# Altium PCB RemoteLora.PcbDoc
Units mm, origin at the board's own origin, x right, y up, seen from the top; angles counter-clockwise.
Board outline 69.72 x 75.31 mm, 2 copper layers (Top Layer, Bottom Layer); 28 components, 19 nets, 92 pads, 6 vias.
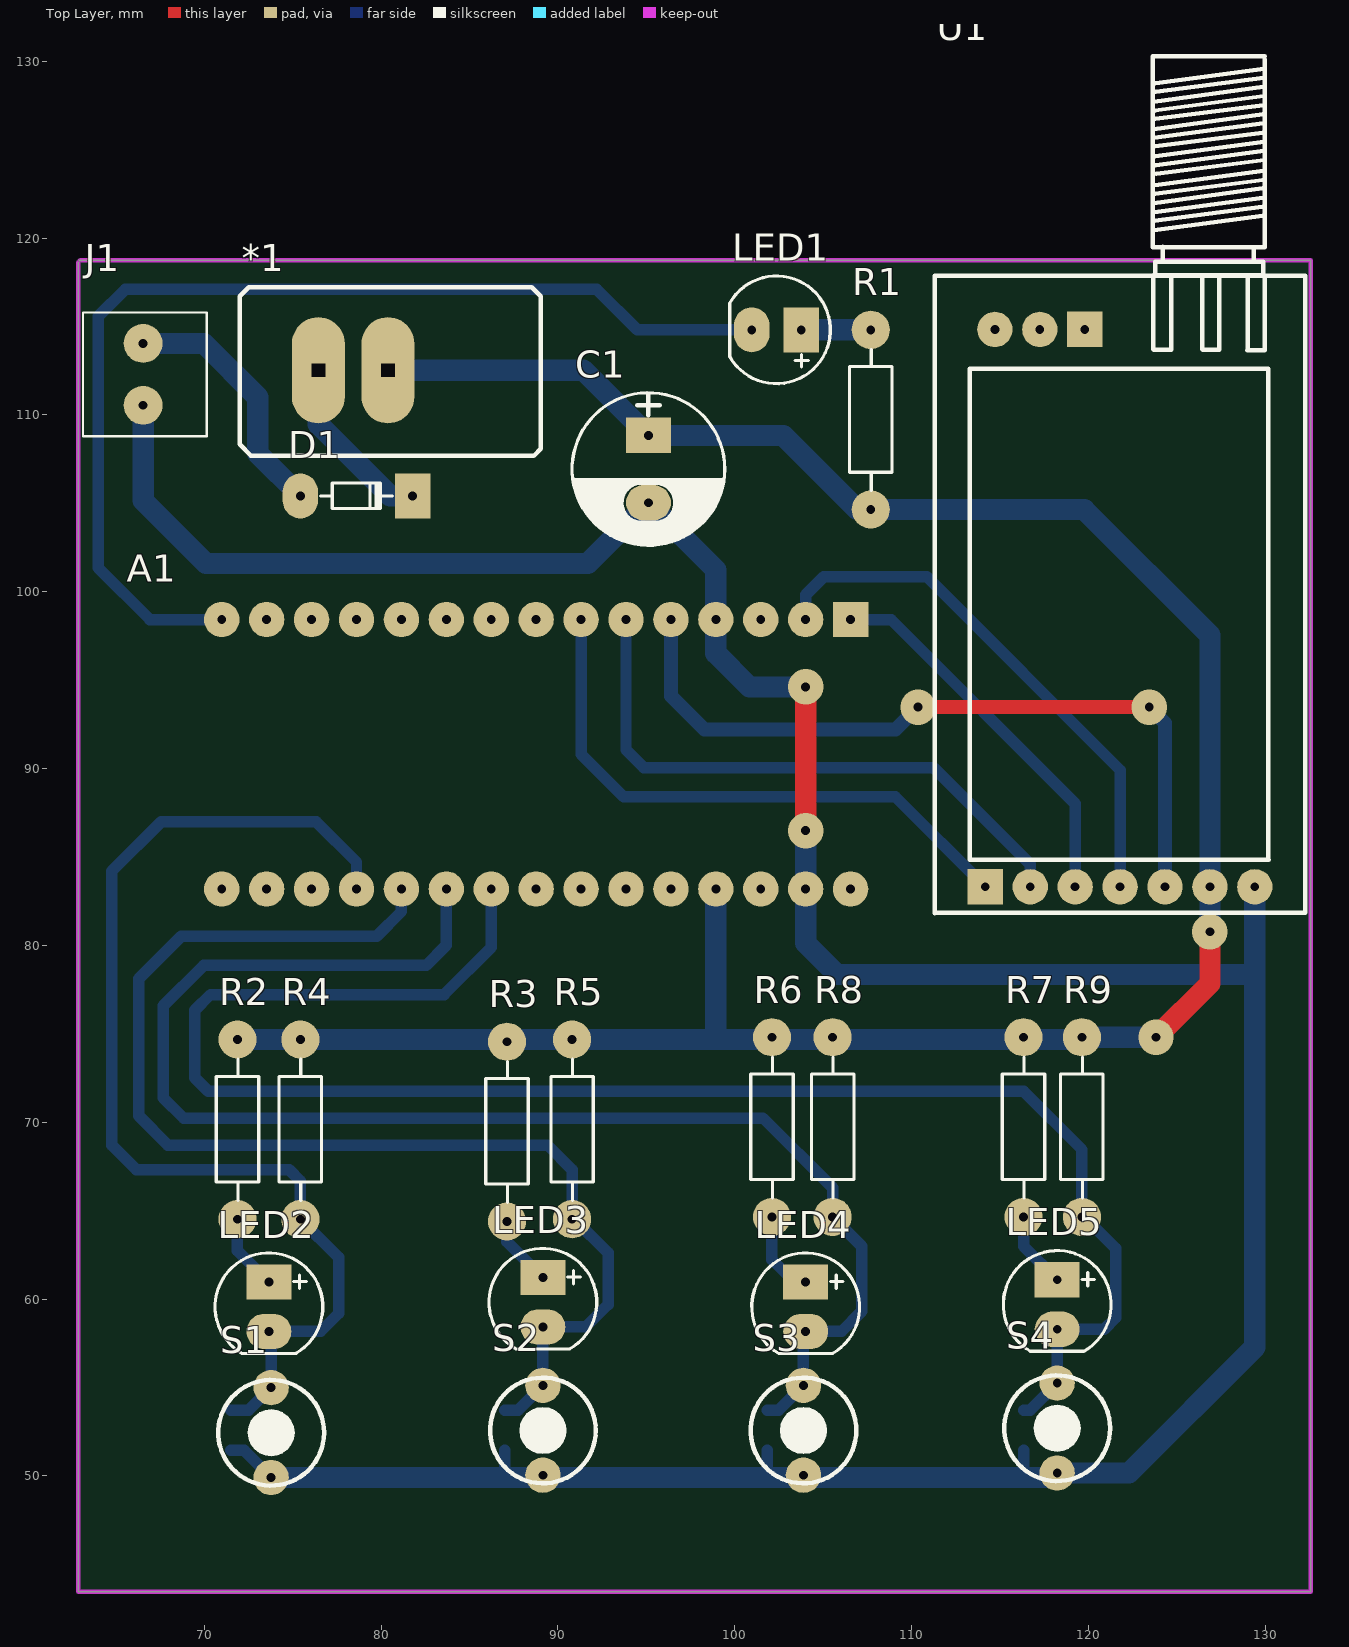
[diagram p0: Top Layer view]
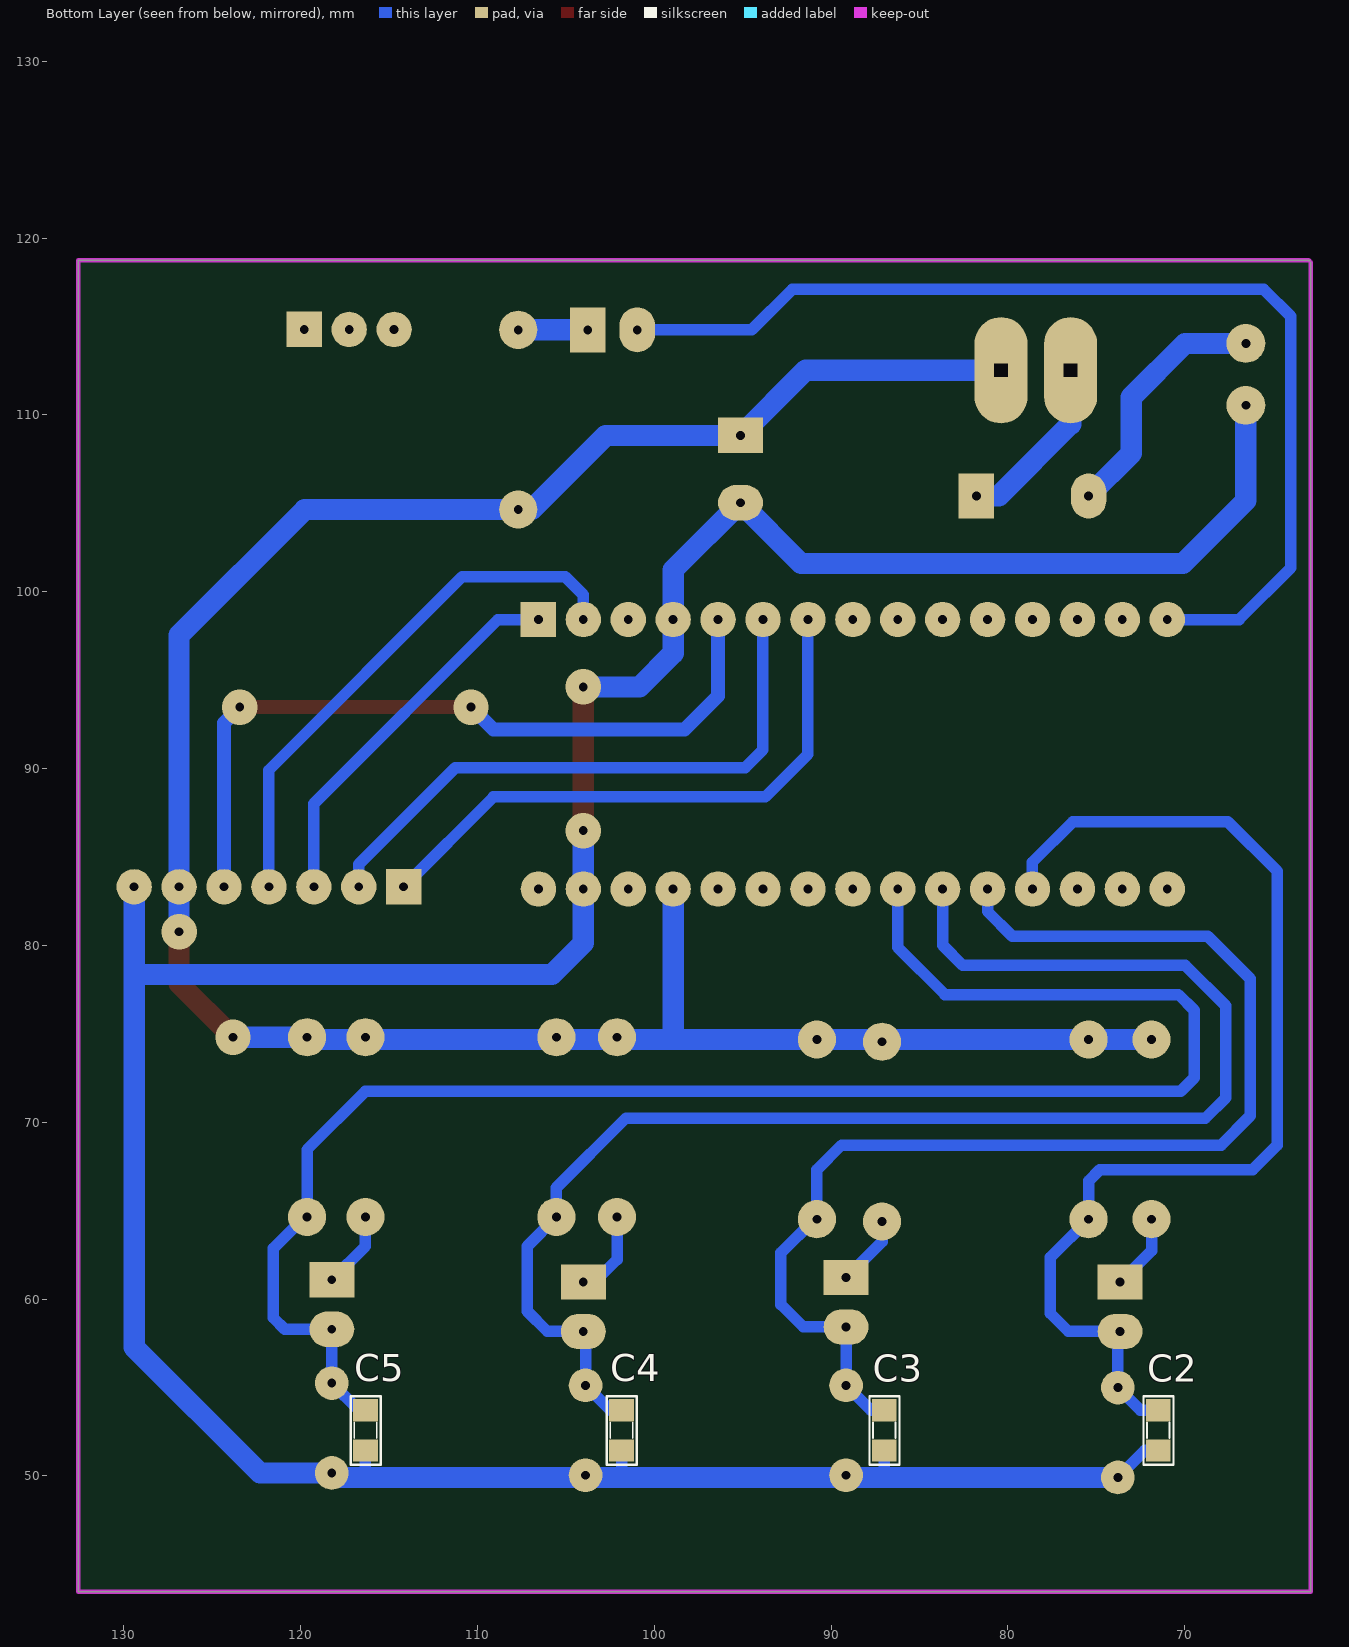
[diagram p1: Bottom Layer view, seen from below]

## Layer stack, top to bottom
Top Solder: solder mask 0.0102, Solder Resist, Dk 3.5
Top Layer: signal copper 0.0356
Dielectric 1: dielectric 0.32, FR-4, Dk 4.8
Bottom Layer: signal copper 0.0356
Bottom Solder: solder mask 0.0102, Solder Resist, Dk 3.5

## Board outline
62.865,43.434 62.865,118.618 62.992,118.745 132.588,118.745 132.588,116.967 132.588,43.434

## Design rules (kind name [scope] priority, off if disabled: settings)
Clearance [All] p1: gap=0.5 ignorepadtopadclearanceinfootprint=FALSE
PolygonConnect [All] p1: connectstyle=Relief reliefconductorwidth=0.254 reliefentries=4 polygonreliefangle="90 Angle" airgapwidth=0.254
RoutingVias [All] p1: holewidth=0.5 width=2 viastyle="Through Hole" minholewidth=0.5 minwidth=2 maxholewidth=0.5 maxwidth=2
SolderMaskExpansion [All] p1: expansion=0.102
Width [All] p1: maxlimit=1.2 minlimit=0.65 preferedwidth=0.8
30 further rules are at their usual default settings.

## Components (designator, comment, footprint, x,y, rotation, side; value= is the part's Value field where it differs from the comment)
*1 "SW bap benh" "SW bapbenh" 78.359,112.522 r90 top
A1 "Arduino Nano" "Arduino Nano" 108.331,104.775 r180 top
C1 "100uF/35V" CP1.5/3.4 95.123,108.839 r270 top value=100uF/35V/50V
C2 "103" SM-0805 71.501,52.578 r90 bottom
C3 "103" SM-0805 86.995,52.578 r90 bottom
C4 "103" SM-0805 101.854,52.578 r90 bottom
C5 "103" SM-0805 116.332,52.578 r90 bottom
D1 "Diode" D0.5A 78.613,105.41 r180 top
J1 "KF2" KF2-3.5 66.548,112.292 r90 top
LED1 "LED" LED-5-BLUE 102.362,114.808 r180 top
LED2 "LED" LED-5-BLUE 73.66,59.563 r270 top
LED3 "LED" LED-5-BLUE 89.154,59.817 r270 top
LED4 "LED" LED-5-BLUE 104.013,59.563 r270 top
LED5 "LED" LED-5-BLUE 118.237,59.69 r270 top
R1 "1k" RES-1/4W 107.823,110.109 r90 top
R2 "1k" RES-1/4W 72.009,69.977 r90 top
R3 "1k" RES-1/4W 87.249,69.85 r90 top
R4 "1k" RES-1/4W 75.565,69.977 r90 top
R5 "1k" RES-1/4W 90.932,69.977 r90 top
R6 "1k" RES-1/4W 102.235,70.104 r90 top
R7 "1k" RES-1/4W 116.459,70.104 r90 top
R8 "1k" RES-1/4W 105.664,70.104 r90 top
R9 "1k" RES-1/4W 119.761,70.104 r90 top
S1 "SW" "BUTTON  ROUND" 73.787,52.451 r90 top
S2 "SW" "BUTTON  ROUND" 89.154,52.578 r90 top
S3 "SW" "BUTTON  ROUND" 103.886,52.578 r90 top
S4 "SW" "BUTTON  ROUND" 118.237,52.705 r90 top
U1 "Lora SX1278 UART" Lora_uart_sx1278 129.413,83.312 r90 top

## Footprints (in the part's own frame and the unit in brackets; to place one, negate y for a bottom-side part, rotate by r counter-clockwise, add the part's x,y. Pads: shape width x height; smd on the part's side, far side on the other; paste and mask are expansions set on the pad)
"Arduino Nano" [mm]
  rect 2x2 hole 0.5: 0(1.778,6.35)
  round 2 hole 0.5: 1(4.318,6.35) 2(6.858,6.35) 3(9.398,6.35) 4(11.938,6.35) 5(14.478,6.35) 6(17.018,6.35) 7(19.558,6.35) 8(22.098,6.35) 9(24.638,6.35) 10(27.178,6.35) 11(29.718,6.35) 12(32.258,6.35) 13(34.798,6.35) 14(37.338,6.35) 15(37.338,21.59) 16(34.798,21.59) 17(32.258,21.59) 18(29.718,21.59) 19(27.178,21.59) 20(24.638,21.59) 21(22.098,21.59) 22(19.558,21.59) 23(17.018,21.59) 24(14.478,21.59) 25(11.938,21.59) 26(9.398,21.59) 27(6.858,21.59) 28(4.318,21.59) 29(1.778,21.59)
  body extent -2.04,4.97 42.96,22.97, height 13.1
"BUTTON  ROUND" [mm]
  round 2 / inner round 1.524 / far side round 1.905 hole 0.5 mask+0.205: 1(-2.54,0) 2(2.54,0)
  silkscreen extent -3,-2.99 2.98,2.99, body extent -3,-3 3,3, height 4.5
CP1.5/3.4 [mm] "Tu hoa 220->470uF,16V, 470uF/16V,25V"
  rect 2x2.54 hole 0.5: 1(0,0)
  oval 2x2.54 hole 0.5: 2(3.81,0)
  silkscreen extent -2.41,-4.32 6.22,4.32, body extent -2.16,-4 5.84,4, height 11.33
D0.5A [mm] "Diode muoi, W 80mil, L 300mil"
  oval 2x2.54 hole 0.5: 1(3.175,0)
  rect 2x2.54 hole 0.5: 2(-3.175,0)
  silkscreen extent -2.03,-0.76 2.03,0.71, body extent -2.76,-0.84 2.76,0.81, height 1.56
KF2-3.5 [mm] "3,50mm - modular - blue - Horizontal wire entry - Pressure clamp - 8,4mm height - 02p"
  round 2.2 hole 0.5: 1(-1.75,0) 2(1.75,0)
  silkscreen extent -3.5,-3.6 3.5,3.4, body extent -3.95,-3.6 4.05,3.4, height 8.41
LED-5-BLUE [mm] "LED 2 PIN, 5 ly , Only colour, pin to pin 110mil"
  rect 2x2.54 hole 0.5: 1(-1.397,0)
  oval 2x2.54 hole 0.5: 2(1.397,0)
  silkscreen extent -3.04,-3.05 2.64,3.04, body extent -2.88,-3.06 2.54,2.96, height 8.62
Lora_uart_sx1278 [mm]
  rect 2x2 hole 0.5: 1(0,15.24) 8(31.52,9.62)
  round 2 hole 0.5: 2(0,12.7) 3(0,10.16) 4(0,7.62) 5(0,5.08) 6(0,2.54) 7(0,0) 9(31.52,12.16) 10(31.52,14.7)
  silkscreen extent -1.49,-2.86 46.98,18.11, body extent -1.49,-2.84 47.03,18.12, height 8.2
RES-1/4W [mil]
  round 85 hole 19.68: 1(-215,5) 2(185,5)
  silkscreen extent -173,-42 141,52, body extent -227,-42 197,52, height 95
SM-0805 [mil] "Compoment SMD 80x50mil"
  rect 50x55 smd: 1(-45,0) 2(45,0)
  silkscreen extent -77,-34 76,33, body extent -40,-25 40,25, height 24
"SW bapbenh" [mm]
  oval 6x3 hole 0.762 square: 1(0,1.905) 2(0,-2.032)
  silkscreen extent -4.83,-10.67 4.7,6.35

## Part data
C1: library part CP3, "Cap 100uF/35V - 470uF/16V", Description 1="1000uF/6,3V - 470uF/16V - 330uF - 25V", Description 2="220uF/35V - 100uF/50V - 63V - 4,7uF/200V", Description 3="22uF => 33uF100V - 3,3uF => 4,7uF/250V", Description 4="2,2uF =>3,3uF/350 - 2,2uF/400V - 1uF/450V"
C2 C3 C4 C5: library part CM, "Cap SMD"
J1: Manufacturer="Würth Elektronik eiSos GmbH", partNo=691103110002, ComponentLink1 Description=Manufacturer, ComponentLink1URL=http://www.we-online.com, ComponentLink2 Description=Datasheet, ComponentLink2URL=http://katalog.we-online.de/em/datasheet/6911031100xx.pdf, Created by="Karrer Zheng", Created Date="29 October 2013", NoPins=2
R1 R2 R3 R4 R5 R6 R7 R8 R9: library part R, "Resistor R1/4W"
S1 S2 S3 S4: library part SW-Button, "Switch-Button", LatestRevisionDate=17-Jul-2002, LatestRevisionNote="Re-released for DXP Platform.", PackageReference=SPST-2, Published=24-Mar-1999, Publisher="Altium Limited"

## Via types
v1: diameter 2, hole 0.5, Top Layer to Bottom Layer, 6 vias

## Nets (pads, with @x,y where several pads share a name; then routed paths per layer and width w, separated by ;. In a path a pad name is that pad's centre, name@x,y a point inside that pad or via, vN(x,y) a via of type N, cw(c..) or ccw(c..) an arc to the next point about the centre after c; other vN are vias at no path point)
AUX: A1.4 U1.5 | length 43.2
  Top Layer w0.8: v1(110.363,93.472) v1(123.444,93.472)
  Bottom Layer w0.8: A1.4 96.393,94.107 98.298,92.202 109.093,92.202 v1(110.363,93.472) ; v1(123.444,93.472) 124.333,92.583 U1.5
DOWN: A1.19 C3.2 LED3.2 R5.1 S2.2 | length 70
  Bottom Layer w0.65: A1.19 81.153,81.915 79.756,80.518 68.707,80.518 66.294,78.105 66.294,70.358 67.945,68.707 89.408,68.707 90.805,67.31 R5.1 90.932,64.516 92.837,62.611 92.837,59.69 91.567,58.42 LED3.2 S2.2 87.757,53.721 C3.2
GND: A1.3 A1.28 C1.2 C2.1 C3.1 C4.1 C5.1 J1.1 S1.1 S2.1 S3.1 S4.1 U1.7 | length 185.8
  Top Layer w1.2: v1(104.013,86.487) v1(104.013,94.615)
  Bottom Layer w0.65: C2.1 72.263,51.435 S1.1 ; 86.995,49.911 C3.1 ; C4.1 101.854,50.292 102.235,49.911 ; C5.1 116.332,50.038 116.459,49.911
  Bottom Layer w1.2: J1.1 66.548,105.156 70.104,101.6 91.694,101.6 C1.2 98.933,101.219 A1.3 98.933,96.52 100.838,94.615 v1(104.013,94.615) ; S1.1 86.995,49.911 102.235,49.911 116.459,49.911 117.983,49.911 S4.1 122.301,50.165 129.413,57.277 129.413,78.359 ; v1(104.013,86.487) A1.28 104.013,80.137 105.791,78.359 129.413,78.359 ; U1.7 129.413,78.359
LORA_RX: A1.0 U1.3 | length 21.7
  Bottom Layer w0.65: A1.0 108.839,98.425 119.253,88.011 U1.3
LORA_TX: A1.1 U1.4 | length 30.7
  Bottom Layer w0.65: A1.1 104.013,99.822 105.029,100.838 110.871,100.838 121.793,89.916 U1.4
M0: A1.6 U1.1 | length 33.6
  Bottom Layer w0.65: A1.6 91.313,90.805 93.726,88.392 109.093,88.392 U1.1
M1: A1.5 U1.2 | length 34.2
  Bottom Layer w0.65: A1.5 93.853,91.059 94.869,90.043 111.252,90.043 116.713,84.582 U1.2
Net*1_1: *1.1 D1.2 | length 10.1
  Bottom Layer w1.2: *1.1 76.454,109.474 80.518,105.41 D1.2
NetA1_14: A1.14 LED1.2 | length 61
  Bottom Layer w0.65: A1.14 66.929,98.425 64.008,101.346 64.008,115.57 65.532,117.094 92.202,117.094 94.488,114.808 LED1.2
NetD1_1: A1.23 D1.1 J1.2 | length 14.3
  Bottom Layer w1.2: J1.2 69.981,114.042 73.025,110.998 73.025,107.823 D1.1
NetLED1_1: LED1.1 R1.2 | length 3.9
  Bottom Layer w1.2: LED1.1 R1.2
NetLED2_1: LED2.1 R2.1 | length 4.3
  Bottom Layer w0.65: R2.1 71.882,62.738 LED2.1
NetLED3_1: LED3.1 R3.1 | length 4
  Bottom Layer w0.65: R3.1 87.122,63.246 LED3.1
NetLED4_1: LED4.1 R6.1 | length 4.8
  Bottom Layer w0.65: R6.1 102.108,62.23 103.378,60.96 LED4.1
NetLED5_1: LED5.1 R7.1 | length 4.3
  Bottom Layer w0.65: R7.1 116.332,62.992 LED5.1
ROLL: A1.20 C4.2 LED4.2 R8.1 S3.2 | length 83.8
  Bottom Layer w0.65: A1.20 83.693,80.01 82.55,78.867 69.977,78.867 67.691,76.581 67.691,71.374 68.834,70.231 101.6,70.231 105.537,66.294 R8.1 107.188,62.992 107.188,59.309 106.045,58.166 LED4.2 104.013,58.547 103.886,58.674 S3.2 102.489,53.721 C4.2
STOP: A1.21 C5.2 LED5.2 R9.1 S4.2 | length 96.7
  Bottom Layer w0.65: A1.21 86.233,79.883 83.566,77.216 70.358,77.216 69.469,76.327 69.469,72.517 70.231,71.755 116.332,71.755 119.634,68.453 R9.1 119.761,64.643 121.539,62.865 121.539,58.928 120.904,58.293 LED5.2 S4.2 116.713,53.721 C5.2
UP: A1.18 C2.2 LED2.2 R4.1 S1.2 | length 63.3
  Bottom Layer w0.65: C2.2 72.517,53.721 S1.2 73.787,58.039 LED2.2 76.581,58.166 77.597,59.182 77.597,62.357 R4.1 75.438,66.675 74.803,67.31 66.167,67.31 64.77,68.707 64.77,84.201 67.564,86.995 76.327,86.995 78.613,84.709 A1.18
VCC: *1.2 A1.26 C1.1 R1.1 R2.2 R3.2 R4.2 R5.2 R6.2 R7.2 R8.2 R9.2 U1.6 | length 137.2
  Top Layer w1.2: v1(123.825,74.803) 126.873,77.851 v1(126.873,80.772)
  Bottom Layer w1.2: R2.2 R4.2 R5.2 98.806,74.676 ; *1.2 91.44,112.522 C1.1 102.743,108.839 106.934,104.648 R1.1 119.761,104.648 126.873,97.536 U1.6 v1(126.873,80.772) ; A1.26 98.933,74.803 98.806,74.676 ; v1(123.825,74.803) R9.2 119.507,74.676 98.806,74.676
pads on no net: A1.2 A1.7 A1.8 A1.9 A1.10 A1.11 A1.12 A1.13 A1.15 A1.16 A1.17 A1.22 A1.24 A1.25 A1.27 A1.29 U1.8 U1.9 U1.10

## Keep-outs
Keep-Out Layer:
  the board outline again, w0.254